# KiCad board led_mapper_850.kicad_pcb (continued)
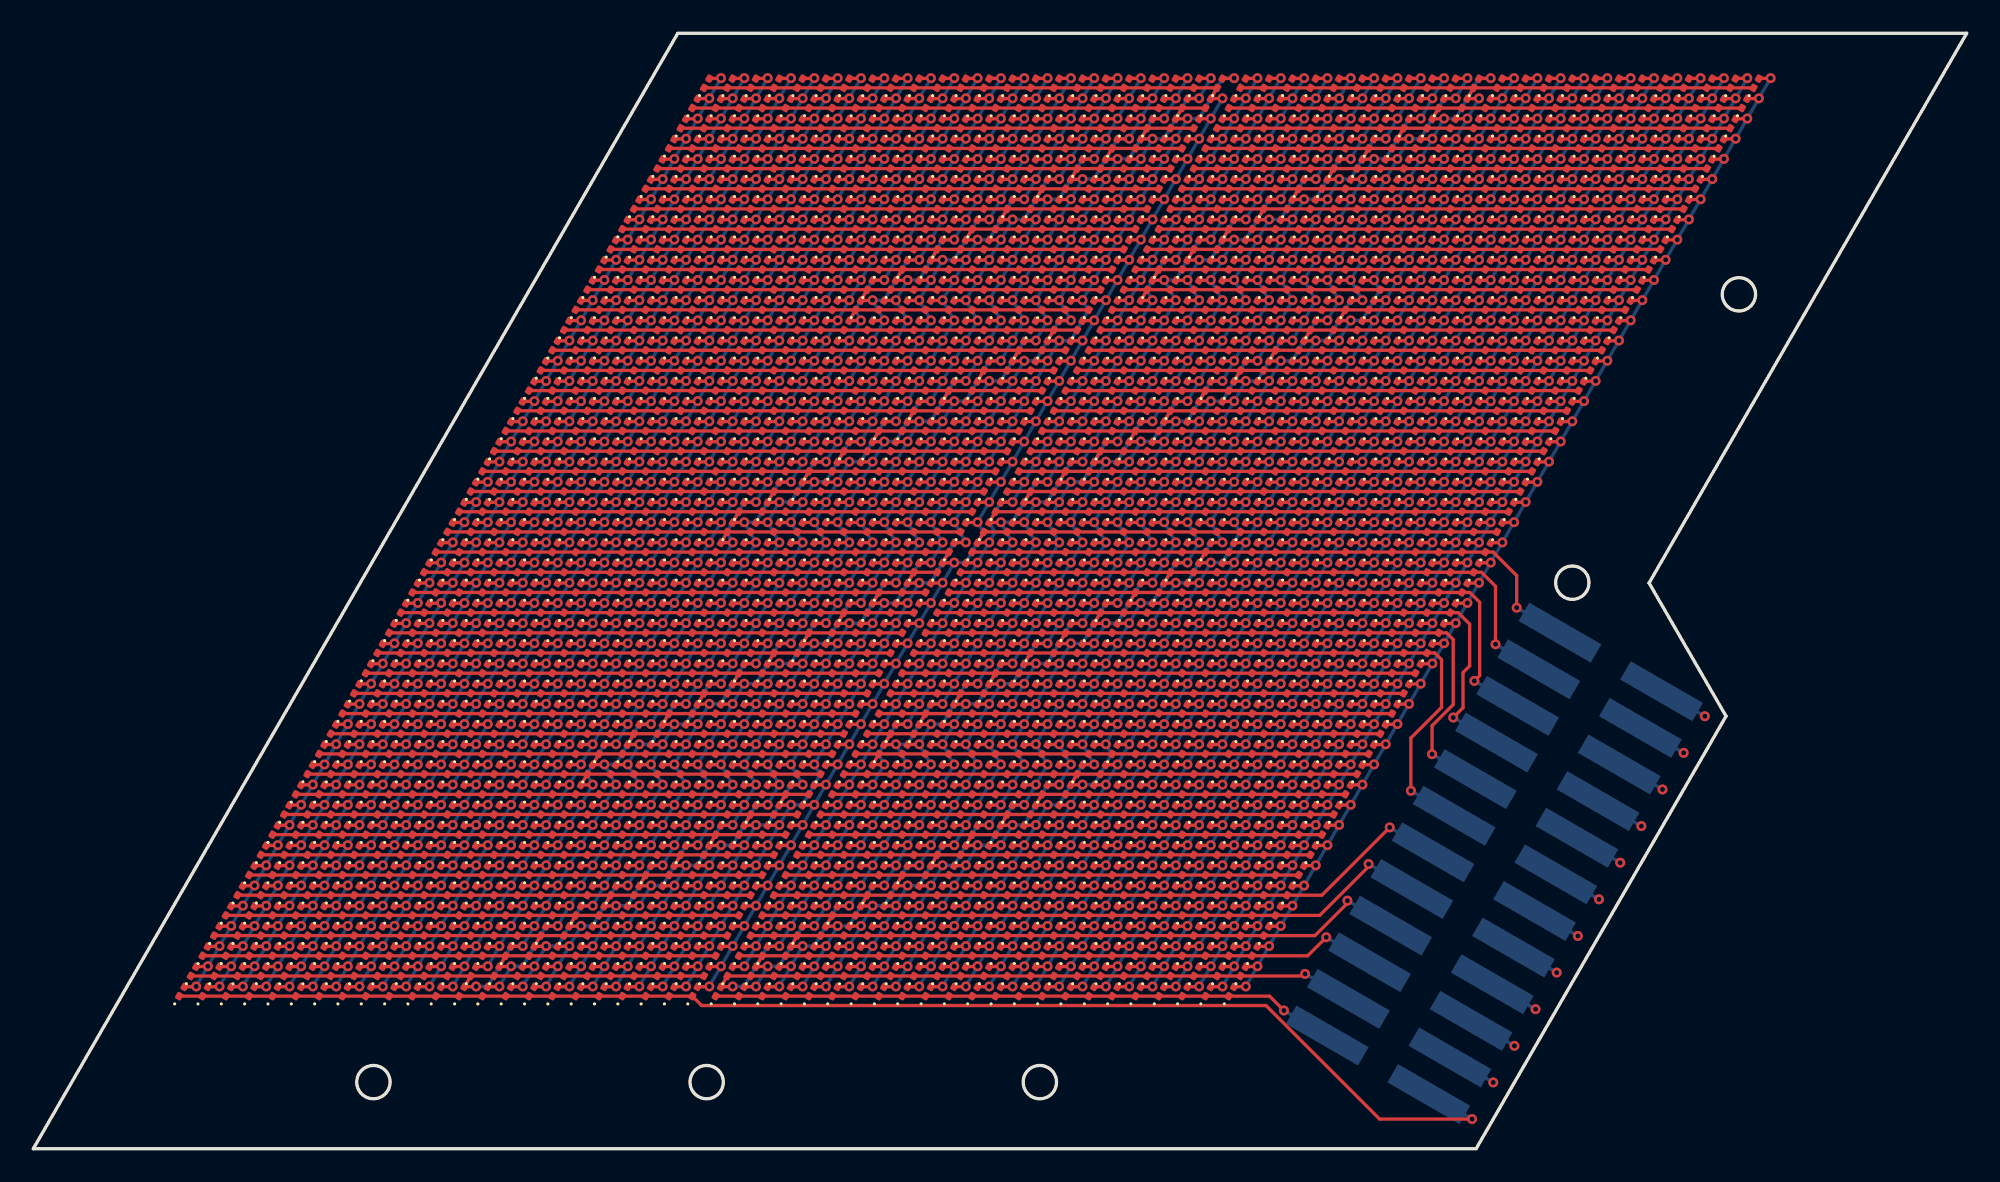
[diagram p0: board, top side]
## Routing (per net, layer and track width the routed paths; a pad name or vN(x,y) marks a point on that pad's centre or on a via; arc(x,y) is an arc through that point) (continued)
/P21: length 375.9
  Top w0.2: D1982.1 D1936.2 v1(41.28,18.23) ; D1171.2 v1(51.78,33.99) ; D67.2 v1(68.58,63.09) ; D296.2 v1(63.68,57.03) ; D1798.2 v1(39.18,14.6) ; D1147.2 v1(83.28,35.21) ; D947.2 v1(90.98,48.54) ; D1752.2 v1(38.48,13.38) ; D740.2 v1(55.28,42.48) ; D1867.2 v1(72.78,17.02) ; D625.2 v1(86.08,40.06) ; D480.2 v1(60.88,52.18) ; D855.2 v1(89.58,46.12) ; D1285.2 v1(81.18,31.57) ; D181.2 v1(97.98,60.67) ; D1660.2 v1(37.08,10.96) ; D113.2 v1(67.88,61.88) ; D2005.2 v1(74.88,20.66) ; D1614.2 v1(36.38,9.75) ; D602.2 v1(53.18,38.84) ; D1584.2 v1(44.08,23.08) ; D671.2 v1(86.78,41.27) ; D1197.1 D1219.1 ; D411.2 v1(94.48,54.61) ; D434.2 v1(61.58,53.39) ; D1423.2 v1(79.08,27.93) ; v1(48.98,31.57) D1262.2 D1216.1 ; D556.2 v1(52.48,37.63) ; D503.2 v1(93.08,52.18) ; D1683.2 v1(69.98,12.17) ; D1308.2 v1(48.28,30.36) ; D1354.2 v1(47.58,29.15) ; D365.2 v1(95.18,55.82) ; v1(65.08,59.46) D204.2 D158.1 ; D1561.2 v1(76.98,24.3) ; D579.2 v1(85.38,38.84) ; D273.2 v1(96.58,58.24) ; D694.2 v1(54.58,41.27) ; D457.2 v1(93.78,53.39) ; D250.2 v1(64.38,58.24) ; D1193.2 v1(82.58,33.99) ; D89.2 v1(99.38,63.09) ; D901.2 v1(90.28,47.33) ; D319.2 v1(95.88,57.03) ; D969.2 v1(60.18,48.54) ; D1015.2 v1(60.88,49.76) ; D832.2 v1(56.68,44.91) ; D717.2 v1(87.48,42.48) ; D139.1 D161.1 ; D2073.2 v1(44.78,21.87) ; D1125.2 v1(52.48,35.21) ; D809.2 v1(88.88,44.91) ; D1039.2 v1(92.38,50.97) ; D227.2 v1(97.28,59.46) ; D1377.2 v1(79.78,29.15) ; D1637.2 v1(69.28,10.96) ; D1239.2 v1(81.88,32.78) ; D1469.2 v1(78.38,26.72) ; D1844.2 v1(39.88,15.81) ; D1079.2 v1(53.18,36.42) ; D43.2 v1(100.08,64.31) ; D993.2 v1(91.68,49.76) ; D526.2 v1(60.18,50.97) ; D921.1 D943.1 ; D924.1 D878.2 v1(57.38,46.12) ; D1400.2 v1(46.88,27.93) ; D1591.2 v1(68.58,9.75) ; D388.2 v1(62.28,54.61) ; D135.2 v1(98.68,61.88) ; D1913.2 v1(73.48,18.23) ; D786.2 v1(55.98,43.69) ; D1775.2 v1(71.38,14.6) ; D1538.2 v1(44.78,24.3) ; D1959.2 v1(74.18,19.45) ; D533.2 v1(84.68,37.63) ; D1446.2 v1(46.18,26.72) ; D1729.2 v1(70.68,13.38) ; D1492.2 v1(45.48,25.51) ; D763.2 v1(88.18,43.69) ; D1890.2 v1(40.58,17.02) ; D2051.2 v1(75.58,21.87) ; D1821.2 v1(72.08,15.81) ; D1706.2 v1(37.78,12.17) ; D1515.2 v1(77.68,25.51) ; D21.2 v1(69.28,64.31) ; D648.2 v1(53.88,40.06) ; D2097.2 v1(76.28,23.08) ; D2027.2 v1(44.08,20.66) ; D1331.2 v1(80.48,30.36) ; D342.2 v1(62.98,55.82) ; D1101.2 v1(83.98,36.42) ; D1979.1 D2001.1
  In2.Cu w0.2: v1(65.08,59.46) 65.43,60.06 96.93,60.06 v1(97.28,59.46) ; v1(96.52,19.38) 84.59,24.8 83.63,26.11 81.18,30.36 v1(80.48,30.36)
  Bottom w0.2: J1.21 v1(96.52,19.38) ; v1(36.38,9.75) v1(41.28,18.23) 41.98,18.23 43.38,20.66 v1(44.08,20.66) v1(44.78,21.87) v1(44.08,23.08) v1(48.98,31.57) 49.68,31.57 51.08,33.99 v1(51.78,33.99) v1(53.18,36.42) v1(52.48,37.63) v1(57.38,46.12) 58.08,46.12 59.48,48.54 v1(60.18,48.54) v1(60.88,49.76) v1(60.18,50.97) v1(65.08,59.46) 65.78,59.46 67.18,61.88 v1(67.88,61.88) v1(69.28,64.31) ; v1(100.08,64.31) v1(68.58,9.75)
/P22: length 374.6
  Top w0.2: D1194.2 v1(83.98,33.99) ; v1(51.08,32.78) D1217.2 D1171.1 ; D366.2 v1(96.58,55.82) ; D1447.2 v1(47.58,26.72) ; D2072.2 v1(46.18,21.87) ; D1843.2 v1(41.28,15.81) ; D1151.1 D1173.1 ; D1590.2 v1(69.98,9.75) ; D44.2 v1(101.48,64.31) ; D1240.2 v1(83.28,32.78) ; D320.2 v1(97.28,57.03) ; D1378.2 v1(81.18,29.15) ; D1516.2 v1(79.08,25.51) ; D435.2 v1(62.98,53.39) ; D2027.1 D1981.2 v1(43.38,19.45) ; D113.1 D159.2 v1(67.18,60.67) ; D1797.2 v1(40.58,14.6) ; D578.2 v1(86.78,38.84) ; D458.2 v1(95.18,53.39) ; D532.2 v1(86.08,37.63) ; D739.2 v1(56.68,42.48) ; D647.2 v1(55.28,40.06) ; D854.2 v1(90.98,46.12) ; D1562.2 v1(78.38,24.3) ; D946.2 v1(92.38,48.54) ; D762.2 v1(89.58,43.69) ; D670.2 v1(88.18,41.27) ; D1958.2 v1(75.58,19.45) ; D251.2 v1(65.78,58.24) ; D297.2 v1(65.08,57.03) ; v1(59.48,47.33) D923.2 D969.1 ; D274.2 v1(97.98,58.24) ; D182.2 v1(99.38,60.67) ; D1636.2 v1(70.68,10.96) ; D624.2 v1(87.48,40.06) ; D22.2 v1(70.68,64.31) ; D1080.2 v1(54.58,36.42) ; D1126.2 v1(53.88,35.21) ; D785.2 v1(57.38,43.69) ; D1424.2 v1(80.48,27.93) ; D90.2 v1(100.78,63.09) ; D1263.2 v1(50.38,31.57) ; D716.2 v1(88.88,42.48) ; D1102.2 v1(85.38,36.42) ; D1912.2 v1(74.88,18.23) ; D555.2 v1(53.88,37.63) ; D1401.2 v1(48.28,27.93) ; D2004.2 v1(76.28,20.66) ; D1014.2 v1(62.28,49.76) ; D1682.2 v1(71.38,12.17) ; D900.2 v1(91.68,47.33) ; D1935.2 v1(42.68,18.23) ; D93.1 D115.1 ; D1820.2 v1(73.48,15.81) ; D1889.2 v1(41.98,17.02) ; D1705.2 v1(39.18,12.17) ; D136.2 v1(100.08,61.88) ; D877.2 v1(58.78,46.12) ; D389.2 v1(63.68,54.61) ; D1539.2 v1(46.18,24.3) ; D481.2 v1(62.28,52.18) ; D1038.2 v1(93.78,50.97) ; D68.2 v1(69.98,63.09) ; D343.2 v1(64.38,55.82) ; D228.2 v1(98.68,59.46) ; D693.2 v1(55.98,41.27) ; D1148.2 v1(84.68,35.21) ; D808.2 v1(90.28,44.91) ; D601.2 v1(54.58,38.84) ; D2050.2 v1(76.98,21.87) ; D967.1 D989.1 ; D1493.2 v1(46.88,25.51) ; D527.2 v1(61.58,50.97) ; D1332.2 v1(81.88,30.36) ; D1659.2 v1(38.48,10.96) ; D2025.1 D2047.1 ; D1866.2 v1(74.18,17.02) ; D1355.2 v1(48.98,29.15) ; D2096.2 v1(77.68,23.08) ; D1286.2 v1(82.58,31.57) ; D1728.2 v1(72.08,13.38) ; D992.2 v1(93.08,49.76) ; D1585.2 v1(45.48,23.08) ; D412.2 v1(95.88,54.61) ; D1613.2 v1(37.78,9.75) ; D1470.2 v1(79.78,26.72) ; D1751.2 v1(39.88,13.38) ; D1774.2 v1(72.78,14.6) ; D831.2 v1(58.08,44.91) ; D1309.2 v1(49.68,30.36) ; D504.2 v1(94.48,52.18) ; D205.2 v1(66.48,59.46)
  In2.Cu w0.2: v1(82.58,31.57) 83.28,31.57 85.03,28.54 85.86,27 v1(97.79,21.58) ; v1(67.18,60.67) 67.53,61.27 99.03,61.27 v1(99.38,60.67)
  Bottom w0.2: v1(70.68,64.31) v1(69.98,63.09) 69.28,63.09 67.88,60.67 v1(67.18,60.67) v1(61.58,50.97) v1(62.28,49.76) 61.58,49.76 60.18,47.33 v1(59.48,47.33) v1(53.88,37.63) v1(54.58,36.42) v1(53.88,35.21) 53.18,35.21 51.78,32.78 v1(51.08,32.78) v1(45.48,23.08) v1(46.18,21.87) 45.48,21.87 44.08,19.45 v1(43.38,19.45) v1(37.78,9.75) ; J1.22 v1(97.79,21.58) ; v1(101.48,64.31) v1(69.98,9.75)
/P23: length 372
  Top w0.2: D1105.1 D1127.1 ; D1037.2 v1(95.18,50.97) ; v1(61.58,48.54) D968.2 D1014.1 ; D876.2 v1(60.18,46.12) ; D344.2 v1(65.78,55.82) ; D646.2 v1(56.68,40.06) ; D1494.2 v1(48.28,25.51) ; D1865.2 v1(75.58,17.02) ; D2095.2 v1(79.08,23.08) ; D1540.2 v1(47.58,24.3) ; D1241.2 v1(84.68,32.78) ; D1126.1 D1172.2 v1(53.18,33.99) ; D1471.2 v1(81.18,26.72) ; D899.2 v1(93.08,47.33) ; D807.2 v1(91.68,44.91) ; D367.2 v1(97.98,55.82) ; D2072.1 D2026.2 v1(45.48,20.66) ; D1589.2 v1(71.38,9.75) ; D761.2 v1(90.98,43.69) ; D528.2 v1(62.98,50.97) ; D600.2 v1(55.98,38.84) ; D1819.2 v1(74.88,15.81) ; D669.2 v1(89.58,41.27) ; D1727.2 v1(73.48,13.38) ; D738.2 v1(58.08,42.48) ; D45.2 v1(102.88,64.31) ; D2049.2 v1(78.38,21.87) ; D91.2 v1(102.18,63.09) ; D390.2 v1(65.08,54.61) ; D1425.2 v1(81.88,27.93) ; D1911.2 v1(76.28,18.23) ; D1517.2 v1(80.48,25.51) ; D436.2 v1(64.38,53.39) ; D206.2 v1(67.88,59.46) ; D1081.2 v1(55.98,36.42) ; D1218.2 v1(52.48,32.78) ; D1402.2 v1(49.68,27.93) ; D1149.2 v1(86.08,35.21) ; D47.1 D69.1 ; D945.2 v1(93.78,48.54) ; D298.2 v1(66.48,57.03) ; D1773.2 v1(74.18,14.6) ; D459.2 v1(96.58,53.39) ; D2003.2 v1(77.68,20.66) ; D1379.2 v1(82.58,29.15) ; D577.2 v1(88.18,38.84) ; D1980.2 v1(44.78,19.45) ; D183.2 v1(100.78,60.67) ; D321.2 v1(98.68,57.03) ; D991.2 v1(94.48,49.76) ; D413.2 v1(97.28,54.61) ; D554.2 v1(55.28,37.63) ; D1103.2 v1(86.78,36.42) ; D23.2 v1(72.08,64.31) ; D623.2 v1(88.88,40.06) ; D1563.2 v1(79.78,24.3) ; v1(69.28,61.88) D114.2 D68.1 ; D784.2 v1(58.78,43.69) ; D1704.2 v1(40.58,12.17) ; D1658.2 v1(39.88,10.96) ; D505.2 v1(95.88,52.18) ; D1842.2 v1(42.68,15.81) ; D531.2 v1(87.48,37.63) ; D1888.2 v1(43.38,17.02) ; D922.2 v1(60.88,47.33) ; D1796.2 v1(41.98,14.6) ; D830.2 v1(59.48,44.91) ; D160.2 v1(68.58,60.67) ; D1448.2 v1(48.98,26.72) ; D1934.2 v1(44.08,18.23) ; D137.2 v1(101.48,61.88) ; D1195.2 v1(85.38,33.99) ; D1586.2 v1(46.88,23.08) ; D229.2 v1(100.08,59.46) ; D252.2 v1(67.18,58.24) ; D1635.2 v1(72.08,10.96) ; D1013.1 D1035.1 ; D1957.2 v1(76.98,19.45) ; D482.2 v1(63.68,52.18) ; D1287.2 v1(83.98,31.57) ; D1612.2 v1(39.18,9.75) ; D715.2 v1(90.28,42.48) ; D853.2 v1(92.38,46.12) ; D1750.2 v1(41.28,13.38) ; D1681.2 v1(72.78,12.17) ; D1310.2 v1(51.08,30.36) ; D275.2 v1(99.38,58.24) ; D1356.2 v1(50.38,29.15) ; D2071.1 D2093.1 ; D1333.2 v1(83.28,30.36) ; D692.2 v1(57.38,41.27) ; D1264.2 v1(51.78,31.57)
  In2.Cu w0.2: v1(69.28,61.88) 69.63,62.49 101.13,62.49 v1(101.48,61.88) ; v1(84.68,32.78) 85.38,32.78 86.43,30.96 87.13,29.2 v1(99.06,23.78)
  Bottom w0.2: J1.23 v1(99.06,23.78) ; v1(72.08,64.31) 71.38,64.31 69.98,61.88 v1(69.28,61.88) v1(62.98,50.97) 63.33,50.36 62.28,48.54 v1(61.58,48.54) v1(55.28,37.63) v1(55.98,36.42) 55.28,36.42 53.88,33.99 v1(53.18,33.99) v1(46.88,23.08) 47.23,22.48 46.18,20.66 v1(45.48,20.66) v1(39.18,9.75) ; v1(102.88,64.31) v1(71.38,9.75)
/P24: length 304.1
  Top w0.2: D322.2 v1(100.08,57.03) ; D737.2 v1(59.48,42.48) ; D2002.2 v1(79.08,20.66) ; D1611.2 v1(40.58,9.75) ; D1680.2 v1(74.18,12.17) ; D299.2 v1(67.88,57.03) ; D1818.2 v1(76.28,15.81) ; D622.2 v1(90.28,40.06) ; D1472.2 v1(82.58,26.72) ; D276.2 v1(100.78,58.24) ; D1242.2 v1(86.08,32.78) ; D414.2 v1(98.68,54.61) ; D253.2 v1(68.58,58.24) ; D553.2 v1(56.68,37.63) ; D345.2 v1(67.18,55.82) ; D1403.2 v1(51.08,27.93) ; D529.2 v1(64.38,50.97) ; D1288.2 v1(85.38,31.57) ; v1(55.28,35.21) D1127.2 D1081.1 D1059.1 ; D1518.2 v1(81.88,25.51) ; D1357.2 v1(51.78,29.15) ; D1564.2 v1(81.18,24.3) ; D1634.2 v1(73.48,10.96) ; D1910.2 v1(77.68,18.23) ; D1841.2 v1(44.08,15.81) ; D1196.2 v1(86.78,33.99) ; D1657.2 v1(41.28,10.96) ; D852.2 v1(93.78,46.12) ; D460.2 v1(97.98,53.39) ; D1104.2 v1(88.18,36.42) ; D230.2 v1(101.48,59.46) ; D921.2 v1(62.28,47.33) ; D967.2 v1(62.98,48.54) ; D1311.2 v1(52.48,30.36) ; D1150.2 v1(87.48,35.21) ; D92.2 v1(103.58,63.09) ; D760.2 v1(92.38,43.69) ; D1426.2 v1(83.28,27.93) ; D1587.2 v1(48.28,23.08) ; D1772.2 v1(75.58,14.6) ; D875.2 v1(61.58,46.12) ; D1933.2 v1(45.48,18.23) ; D1749.2 v1(42.68,13.38) ; D1795.2 v1(43.38,14.6) ; D1013.2 v1(63.68,49.76) ; D1726.2 v1(74.88,13.38) ; D645.2 v1(58.08,40.06) ; D944.2 v1(95.18,48.54) ; D1588.2 v1(72.78,9.75) ; D599.2 v1(57.38,38.84) ; D714.2 v1(91.68,42.48) ; D1380.2 v1(83.98,29.15) ; D1541.2 v1(48.98,24.3) ; D806.2 v1(93.08,44.91) ; D1864.2 v1(76.98,17.02) ; D184.2 v1(102.18,60.67) ; D1956.2 v1(78.38,19.45) ; D115.2 v1(70.68,61.88) ; D668.2 v1(90.98,41.27) ; D437.2 v1(65.78,53.39) ; D576.2 v1(89.58,38.84) ; D530.2 v1(88.88,37.63) ; D1703.2 v1(41.98,12.17) ; D46.2 v1(104.28,64.31) ; D2048.2 v1(79.78,21.87) ; D1495.2 v1(49.68,25.51) ; D2025.2 v1(46.88,20.66) ; D1334.2 v1(84.68,30.36) ; D1173.2 v1(54.58,33.99) ; D1979.2 v1(46.18,19.45) ; D161.2 v1(69.98,60.67) ; D990.2 v1(95.88,49.76) ; D483.2 v1(65.08,52.18) ; D138.2 v1(102.88,61.88) ; D1265.2 v1(53.18,31.57) ; D368.2 v1(99.38,55.82) ; D829.2 v1(60.88,44.91) ; D1219.2 v1(53.88,32.78) ; D1.1 D23.1 D69.2 v1(71.38,63.09) ; D391.2 v1(66.48,54.61) ; D691.2 v1(58.78,41.27) ; D506.2 v1(97.28,52.18) ; D2094.2 v1(80.48,23.08) ; D207.2 v1(69.28,59.46) ; D898.2 v1(94.48,47.33) ; D783.2 v1(60.18,43.69) ; D1887.2 v1(44.78,17.02) ; D1449.2 v1(50.38,26.72) ; D2071.2 v1(47.58,21.87) ; D1036.2 v1(96.58,50.97)
  In2.Cu w0.2: v1(71.38,63.09) 71.73,63.7 103.23,63.7 v1(103.58,63.09) ; v1(100.33,25.98) 88.4,31.4 87.83,33.39 87.48,33.99 v1(86.78,33.99)
  Bottom w0.2: J1.24 v1(100.33,25.98) ; v1(71.38,63.09) v1(64.38,50.97) v1(63.68,49.76) v1(56.68,37.63) 57.03,37.03 55.98,35.21 v1(55.28,35.21) v1(48.28,23.08) v1(47.58,21.87) v1(40.58,9.75) ; v1(104.28,64.31) v1(72.78,9.75)
